# Altium PCB PASS Capstone.PcbDoc (part 2 of 6)
Units mil, origin at the board's own origin, x right, y up, seen from the top; angles counter-clockwise.
Board outline 9510 x 7745.39 mil, 2 copper layers (L1, L2), stack 62.756 mil thick; 838 components, 509 nets, 2130 pads, 378 vias.
Unrouted connection lines stored in the file: 795.
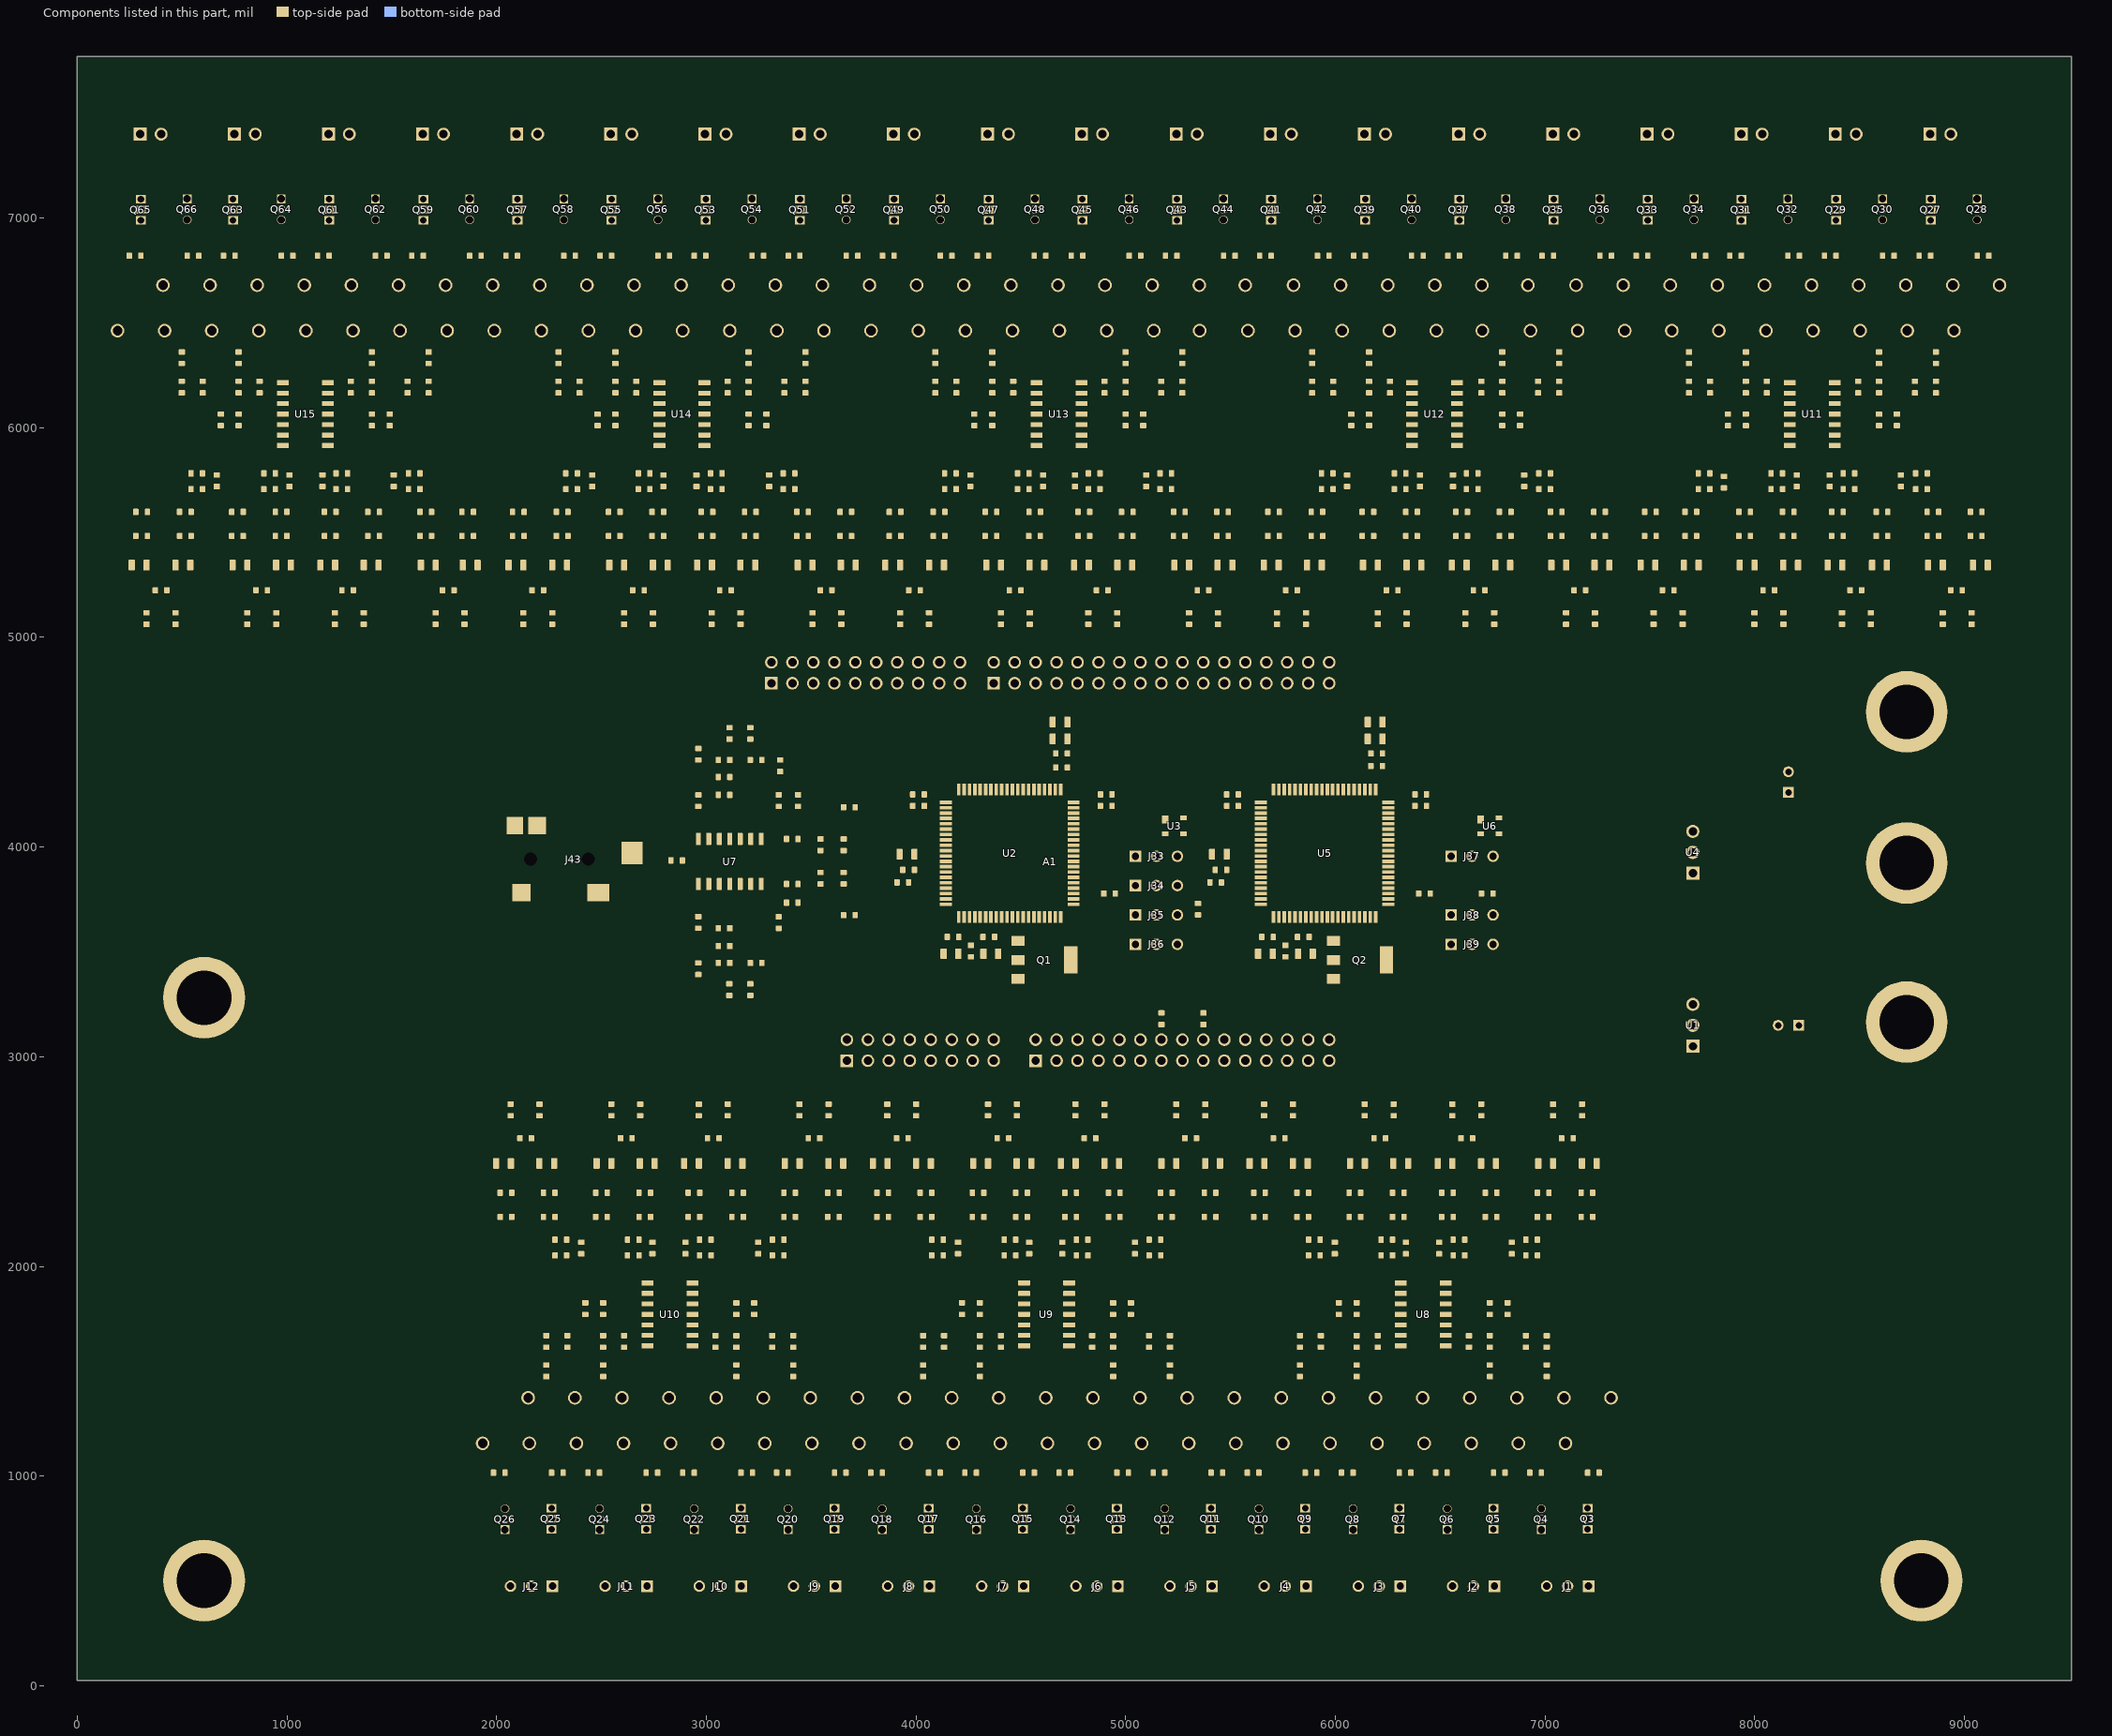
[diagram p2: the components of this part, seen from the top]

## Components (designator, comment, footprint, x,y, rotation, side; value= is the part's Value field where it differs from the comment) (continued)
R192 "6.6k 0603" RESC0603(1608)_L 7502.6,5598.65 r0 top value=6.6k
R193 "1k 0603" RESC0603(1608)_L 8795.07,5707.29 r180 top value=1k
R194 "1k 0603" RESC0603(1608)_L 8449.59,5707.29 r180 top value=1k
R195 "1k 0603" RESC0603(1608)_L 8105.46,5707.29 r0 top value=1k
R196 "1k 0603" RESC0603(1608)_L 7758.49,5707.29 r0 top value=1k
R197 "2k 0603" RESC0603(1608)_L 8795.07,5782.29 r180 top value=2k
R198 "2k 0603" RESC0603(1608)_L 8449.59,5782.29 r180 top value=2k
R199 "2k 0603" RESC0603(1608)_L 8105.46,5782.29 r0 top value=2k
R200 "2k 0603" RESC0603(1608)_L 7758.49,5782.29 r0 top value=2k
R201 "1k 0603" RESC0603(1608)_L 8763.99,6193.75 r270 top value=1k
R202 "1k 0603" RESC0603(1608)_L 8492.93,6193.75 r270 top value=1k
R203 "1k 0603" RESC0603(1608)_L 8057.78,6193.75 r270 top value=1k
R204 "1k 0603" RESC0603(1608)_L 7786.72,6193.75 r270 top value=1k
R205 "2k 0603" RESC0603(1608)_L 8863.99,6333.75 r270 top value=2k
R206 "2k 0603" RESC0603(1608)_L 8592.93,6333.75 r270 top value=2k
R207 "2k 0603" RESC0603(1608)_L 7957.78,6333.75 r270 top value=2k
R208 "2k 0603" RESC0603(1608)_L 7686.72,6333.75 r270 top value=2k
R209 "560 0603" RESC0603(1608)_L 8811.62,6820 r180 top value=560
R210 "560 0603" RESC0603(1608)_L 9088.67,6820 r180 top value=560
R211 "560 0603" RESC0603(1608)_L 8360.29,6820 r180 top value=560
R212 "560 0603" RESC0603(1608)_L 8637.43,6820 r180 top value=560
R213 "560 0603" RESC0603(1608)_L 7908.48,6820 r180 top value=560
R214 "560 0603" RESC0603(1608)_L 8185.86,6820 r180 top value=560
R215 "560 0603" RESC0603(1608)_L 7462.29,6820 r180 top value=560
R216 "560 0603" RESC0603(1608)_L 7738.27,6820 r180 top value=560
R217 "237" RESC0603(1608)_L 7100.25,5090 r90 top
R218 "237" RESC0603(1608)_L 7238.16,5090 r90 top
R219 "237" RESC0603(1608)_L 6619.81,5090 r90 top
R220 "237" RESC0603(1608)_L 6757.73,5090 r90 top
R221 "237" RESC0603(1608)_L 6340.16,5090 r90 top
R222 "237" RESC0603(1608)_L 6202.25,5090 r90 top
R223 "237" RESC0603(1608)_L 5859.73,5090 r90 top
R224 "237" RESC0603(1608)_L 5721.42,5090 r90 top
R225 "49.9k Ohm 0603" RESC0603(1608)_L 7053.4,5483.65 r0 top value=49.9k
R226 "49.9k Ohm 0603" RESC0603(1608)_L 7259.91,5483.65 r0 top value=49.9k
R227 "49.9k Ohm 0603" RESC0603(1608)_L 6602.27,5483.65 r0 top value=49.9k
R228 "49.9k Ohm 0603" RESC0603(1608)_L 6810.26,5483.65 r0 top value=49.9k
R229 "49.9k Ohm 0603" RESC0603(1608)_L 6363.39,5483.65 r180 top value=49.9k
R230 "49.9k Ohm 0603" RESC0603(1608)_L 6155.4,5483.65 r180 top value=49.9k
R231 "49.9k Ohm 0603" RESC0603(1608)_L 5912.26,5483.65 r180 top value=49.9k
R232 "49.9k Ohm 0603" RESC0603(1608)_L 5705.75,5483.65 r180 top value=49.9k
R233 "6.6k 0603" RESC0603(1608)_L 7053.4,5598.65 r0 top value=6.6k
R234 "6.6k 0603" RESC0603(1608)_L 7259.91,5598.65 r180 top value=6.6k
R235 "6.6k 0603" RESC0603(1608)_L 6602.27,5598.65 r0 top value=6.6k
R236 "6.6k 0603" RESC0603(1608)_L 6810.26,5598.65 r0 top value=6.6k
R237 "6.6k 0603" RESC0603(1608)_L 6363.39,5598.65 r180 top value=6.6k
R238 "6.6k 0603" RESC0603(1608)_L 6155.4,5598.65 r180 top value=6.6k
R239 "6.6k 0603" RESC0603(1608)_L 5912.26,5598.65 r180 top value=6.6k
R240 "6.6k 0603" RESC0603(1608)_L 5705.75,5598.65 r0 top value=6.6k
R241 "1k 0603" RESC0603(1608)_L 6998.23,5707.29 r180 top value=1k
R242 "1k 0603" RESC0603(1608)_L 6652.74,5707.29 r180 top value=1k
R243 "1k 0603" RESC0603(1608)_L 6308.61,5707.29 r0 top value=1k
R244 "1k 0603" RESC0603(1608)_L 5961.65,5707.29 r0 top value=1k
R245 "2k 0603" RESC0603(1608)_L 6998.23,5782.29 r180 top value=2k
R246 "2k 0603" RESC0603(1608)_L 6652.74,5782.29 r180 top value=2k
R247 "2k 0603" RESC0603(1608)_L 6308.61,5782.29 r0 top value=2k
R248 "2k 0603" RESC0603(1608)_L 5961.65,5782.29 r0 top value=2k
R249 "1k 0603" RESC0603(1608)_L 6967.14,6193.75 r270 top value=1k
R250 "1k 0603" RESC0603(1608)_L 6696.08,6193.75 r270 top value=1k
R251 "1k 0603" RESC0603(1608)_L 6260.93,6193.75 r270 top value=1k
R252 "1k 0603" RESC0603(1608)_L 5989.87,6193.75 r270 top value=1k
R253 "2k 0603" RESC0603(1608)_L 7067.14,6333.75 r270 top value=2k
R254 "2k 0603" RESC0603(1608)_L 6796.08,6333.75 r270 top value=2k
R255 "2k 0603" RESC0603(1608)_L 6160.93,6333.75 r270 top value=2k
R256 "2k 0603" RESC0603(1608)_L 5889.87,6333.75 r270 top value=2k
R257 "560 0603" RESC0603(1608)_L 7013.29,6820 r180 top value=560
R258 "560 0603" RESC0603(1608)_L 7289.26,6820 r180 top value=560
R259 "560 0603" RESC0603(1608)_L 6564.29,6820 r180 top value=560
R260 "560 0603" RESC0603(1608)_L 6840.26,6820 r180 top value=560
R261 "560 0603" RESC0603(1608)_L 6115.29,6820 r180 top value=560
R262 "560 0603" RESC0603(1608)_L 6391.26,6820 r180 top value=560
R263 "560 0603" RESC0603(1608)_L 5666.29,6820 r180 top value=560
R264 "560 0603" RESC0603(1608)_L 5942.26,6820 r180 top value=560
R265 "237" RESC0603(1608)_L 5302.37,5090 r90 top
R266 "237" RESC0603(1608)_L 5440.28,5090 r90 top
R267 "237" RESC0603(1608)_L 4821.93,5090 r90 top
R268 "237" RESC0603(1608)_L 4959.85,5090 r90 top
R269 "237" RESC0603(1608)_L 4542.62,5090 r90 top
R270 "237" RESC0603(1608)_L 4405.34,5090 r90 top
R271 "237" RESC0603(1608)_L 4062.19,5090 r90 top
R272 "237" RESC0603(1608)_L 3924.52,5090 r90 top
R273 "49.9k Ohm 0603" RESC0603(1608)_L 5255.52,5483.65 r0 top value=49.9k
R274 "49.9k Ohm 0603" RESC0603(1608)_L 5462.03,5483.65 r0 top value=49.9k
R275 "49.9k Ohm 0603" RESC0603(1608)_L 4800.77,5483.65 r0 top value=49.9k
R276 "49.9k Ohm 0603" RESC0603(1608)_L 5007.68,5483.65 r0 top value=49.9k
R277 "49.9k Ohm 0603" RESC0603(1608)_L 4565.51,5483.65 r180 top value=49.9k
R278 "49.9k Ohm 0603" RESC0603(1608)_L 4357.52,5483.65 r180 top value=49.9k
R279 "49.9k Ohm 0603" RESC0603(1608)_L 4110.07,5483.65 r180 top value=49.9k
R280 "49.9k Ohm 0603" RESC0603(1608)_L 3900.31,5483.65 r180 top value=49.9k
R281 "6.6k 0603" RESC0603(1608)_L 5256.49,5598.65 r0 top value=6.6k
R282 "6.6k 0603" RESC0603(1608)_L 5462.03,5598.65 r180 top value=6.6k
R283 "6.6k 0603" RESC0603(1608)_L 4800.77,5598.65 r0 top value=6.6k
R284 "6.6k 0603" RESC0603(1608)_L 5007.68,5598.65 r0 top value=6.6k
R285 "6.6k 0603" RESC0603(1608)_L 4566.49,5598.65 r180 top value=6.6k
R286 "6.6k 0603" RESC0603(1608)_L 4357.52,5598.65 r180 top value=6.6k
R287 "6.6k 0603" RESC0603(1608)_L 4110.07,5598.65 r180 top value=6.6k
R288 "6.6k 0603" RESC0603(1608)_L 3900.31,5598.65 r0 top value=6.6k
R289 "1k 0603" RESC0603(1608)_L 5191.35,5707.29 r180 top value=1k
R290 "1k 0603" RESC0603(1608)_L 4849.8,5707.29 r180 top value=1k
R291 "1k 0603" RESC0603(1608)_L 4511.76,5707.29 r0 top value=1k
R292 "1k 0603" RESC0603(1608)_L 4164.16,5707.29 r0 top value=1k
R293 "2k 0603" RESC0603(1608)_L 5191.35,5782.29 r180 top value=2k
R294 "2k 0603" RESC0603(1608)_L 4849.8,5782.29 r180 top value=2k
R295 "2k 0603" RESC0603(1608)_L 4511.76,5782.29 r0 top value=2k
R296 "2k 0603" RESC0603(1608)_L 4164.16,5782.29 r0 top value=2k
R297 "1k 0603" RESC0603(1608)_L 5170.29,6193.75 r270 top value=1k
R298 "1k 0603" RESC0603(1608)_L 4899.23,6193.75 r270 top value=1k
R299 "1k 0603" RESC0603(1608)_L 4464.08,6193.75 r270 top value=1k
R300 "1k 0603" RESC0603(1608)_L 4192.38,6193.75 r270 top value=1k
R301 "2k 0603" RESC0603(1608)_L 5270.29,6333.75 r270 top value=2k
R302 "2k 0603" RESC0603(1608)_L 4999.23,6333.75 r270 top value=2k
R303 "2k 0603" RESC0603(1608)_L 4364.08,6333.75 r270 top value=2k
R304 "2k 0603" RESC0603(1608)_L 4092.38,6333.75 r270 top value=2k
R305 "560 0603" RESC0603(1608)_L 5217.29,6820 r180 top value=560
R306 "560 0603" RESC0603(1608)_L 5494.33,6820 r180 top value=560
R307 "560 0603" RESC0603(1608)_L 4768.29,6820 r180 top value=560
R308 "560 0603" RESC0603(1608)_L 5044.26,6820 r180 top value=560
R309 "560 0603" RESC0603(1608)_L 4319.29,6820 r180 top value=560
R310 "560 0603" RESC0603(1608)_L 4591.52,6820 r180 top value=560
R311 "560 0603" RESC0603(1608)_L 3867.95,6820 r180 top value=560
R312 "560 0603" RESC0603(1608)_L 4143.93,6820 r180 top value=560
R313 "237" RESC0603(1608)_L 3505.91,5090 r90 top
R314 "237" RESC0603(1608)_L 3643.83,5090 r90 top
R315 "237" RESC0603(1608)_L 3025.47,5090 r90 top
R316 "237" RESC0603(1608)_L 3163.39,5090 r90 top
R317 "237" RESC0603(1608)_L 2745.83,5090 r90 top
R318 "237" RESC0603(1608)_L 2607.91,5090 r90 top
R319 "237" RESC0603(1608)_L 2265.39,5090 r90 top
R320 "237" RESC0603(1608)_L 2127.08,5090 r90 top
R321 "49.9k Ohm 0603" RESC0603(1608)_L 3459.06,5483.65 r0 top value=49.9k
R322 "49.9k Ohm 0603" RESC0603(1608)_L 3665.57,5483.65 r0 top value=49.9k
R323 "49.9k Ohm 0603" RESC0603(1608)_L 3003.34,5483.65 r0 top value=49.9k
R324 "49.9k Ohm 0603" RESC0603(1608)_L 3210.24,5483.65 r0 top value=49.9k
R325 "49.9k Ohm 0603" RESC0603(1608)_L 2769.05,5483.65 r180 top value=49.9k
R326 "49.9k Ohm 0603" RESC0603(1608)_L 2561.06,5483.65 r180 top value=49.9k
R327 "49.9k Ohm 0603" RESC0603(1608)_L 2312.63,5483.65 r180 top value=49.9k
R328 "49.9k Ohm 0603" RESC0603(1608)_L 2103.86,5483.65 r180 top value=49.9k
R329 "6.6k 0603" RESC0603(1608)_L 3459.06,5598.65 r0 top value=6.6k
R330 "6.6k 0603" RESC0603(1608)_L 3665.57,5598.65 r180 top value=6.6k
R331 "6.6k 0603" RESC0603(1608)_L 3003.34,5598.65 r0 top value=6.6k
R332 "6.6k 0603" RESC0603(1608)_L 3210.24,5598.65 r0 top value=6.6k
R333 "6.6k 0603" RESC0603(1608)_L 2769.05,5598.65 r180 top value=6.6k
R334 "6.6k 0603" RESC0603(1608)_L 2561.06,5598.65 r180 top value=6.6k
R335 "6.6k 0603" RESC0603(1608)_L 2312.63,5598.65 r180 top value=6.6k
R336 "6.6k 0603" RESC0603(1608)_L 2103.86,5598.65 r0 top value=6.6k
R337 "1k 0603" RESC0603(1608)_L 3394.5,5707.29 r180 top value=1k
R338 "1k 0603" RESC0603(1608)_L 3047.54,5707.29 r180 top value=1k
R339 "1k 0603" RESC0603(1608)_L 2703.41,5707.29 r0 top value=1k
R340 "1k 0603" RESC0603(1608)_L 2357.92,5707.29 r0 top value=1k
R341 "2k 0603" RESC0603(1608)_L 3394.5,5782.29 r180 top value=2k
R342 "2k 0603" RESC0603(1608)_L 3047.54,5782.29 r180 top value=2k
R343 "2k 0603" RESC0603(1608)_L 2703.41,5782.29 r0 top value=2k
R344 "2k 0603" RESC0603(1608)_L 2357.92,5782.29 r0 top value=2k
R345 "1k 0603" RESC0603(1608)_L 3372.8,6193.75 r270 top value=1k
R346 "1k 0603" RESC0603(1608)_L 3101.74,6193.75 r270 top value=1k
R347 "1k 0603" RESC0603(1608)_L 2666.6,6193.75 r270 top value=1k
R348 "1k 0603" RESC0603(1608)_L 2395.53,6193.75 r270 top value=1k
R349 "2k 0603" RESC0603(1608)_L 3472.8,6333.75 r270 top value=2k
R350 "2k 0603" RESC0603(1608)_L 3201.74,6333.75 r270 top value=2k
R351 "2k 0603" RESC0603(1608)_L 2566.6,6333.75 r270 top value=2k
R352 "2k 0603" RESC0603(1608)_L 2295.53,6333.75 r270 top value=2k
R353 "560 0603" RESC0603(1608)_L 3418.95,6820 r180 top value=560
R354 "560 0603" RESC0603(1608)_L 3694.93,6820 r180 top value=560
R355 "560 0603" RESC0603(1608)_L 2969.95,6820 r180 top value=560
R356 "560 0603" RESC0603(1608)_L 3245.93,6820 r180 top value=560
R357 "560 0603" RESC0603(1608)_L 2520.95,6820 r180 top value=560
R358 "560 0603" RESC0603(1608)_L 2796.93,6820 r180 top value=560
R359 "560 0603" RESC0603(1608)_L 2071.95,6820 r180 top value=560
R360 "560 0603" RESC0603(1608)_L 2347.93,6820 r180 top value=560
R361 "237" RESC0603(1608)_L 1709.01,5090 r90 top
R362 "237" RESC0603(1608)_L 1846.92,5090 r90 top
R363 "237" RESC0603(1608)_L 1228.57,5090 r90 top
R364 "237" RESC0603(1608)_L 1366.49,5090 r90 top
R365 "237" RESC0603(1608)_L 948.92,5090 r90 top
R366 "237" RESC0603(1608)_L 811.01,5090 r90 top
R367 "237" RESC0603(1608)_L 468.49,5090 r90 top
R368 "237" RESC0603(1608)_L 330.18,5090 r90 top
R369 "49.9k Ohm 0603" RESC0603(1608)_L 1662.16,5483.65 r0 top value=49.9k
R370 "49.9k Ohm 0603" RESC0603(1608)_L 1862.29,5483.65 r0 top value=49.9k
R371 "49.9k Ohm 0603" RESC0603(1608)_L 1206.43,5483.65 r0 top value=49.9k
R372 "49.9k Ohm 0603" RESC0603(1608)_L 1413.34,5483.65 r0 top value=49.9k
R373 "49.9k Ohm 0603" RESC0603(1608)_L 972.15,5483.65 r180 top value=49.9k
R374 "49.9k Ohm 0603" RESC0603(1608)_L 764.16,5483.65 r180 top value=49.9k
R375 "49.9k Ohm 0603" RESC0603(1608)_L 515.73,5483.65 r180 top value=49.9k
R376 "49.9k Ohm 0603" RESC0603(1608)_L 306.95,5483.65 r180 top value=49.9k
R377 "6.6k 0603" RESC0603(1608)_L 1662.16,5598.65 r0 top value=6.6k
R378 "6.6k 0603" RESC0603(1608)_L 1862.29,5598.65 r180 top value=6.6k
R379 "6.6k 0603" RESC0603(1608)_L 1206.43,5598.65 r0 top value=6.6k
R380 "6.6k 0603" RESC0603(1608)_L 1413.34,5598.65 r0 top value=6.6k
R381 "6.6k 0603" RESC0603(1608)_L 972.15,5598.65 r180 top value=6.6k
R382 "6.6k 0603" RESC0603(1608)_L 764.16,5598.65 r180 top value=6.6k
R383 "6.6k 0603" RESC0603(1608)_L 515.73,5598.65 r180 top value=6.6k
R384 "6.6k 0603" RESC0603(1608)_L 306.95,5598.65 r0 top value=6.6k
R385 "1k 0603" RESC0603(1608)_L 1607.04,5707.29 r180 top value=1k
R386 "1k 0603" RESC0603(1608)_L 1261.55,5707.29 r180 top value=1k
R387 "1k 0603" RESC0603(1608)_L 917.43,5707.29 r0 top value=1k
R388 "1k 0603" RESC0603(1608)_L 570.46,5707.29 r0 top value=1k
R389 "2k 0603" RESC0603(1608)_L 1607.04,5782.29 r180 top value=2k
R390 "2k 0603" RESC0603(1608)_L 1261.55,5782.29 r180 top value=2k
R391 "2k 0603" RESC0603(1608)_L 917.43,5782.29 r0 top value=2k
R392 "2k 0603" RESC0603(1608)_L 570.46,5782.29 r0 top value=2k
R393 "1k 0603" RESC0603(1608)_L 1575.95,6193.75 r270 top value=1k
R394 "1k 0603" RESC0603(1608)_L 1304.89,6193.75 r270 top value=1k
R395 "1k 0603" RESC0603(1608)_L 869.75,6193.75 r270 top value=1k
R396 "1k 0603" RESC0603(1608)_L 598.68,6193.75 r270 top value=1k
R397 "2k 0603" RESC0603(1608)_L 1675.95,6333.75 r270 top value=2k
R398 "2k 0603" RESC0603(1608)_L 1404.89,6333.75 r270 top value=2k
R399 "2k 0603" RESC0603(1608)_L 769.75,6333.75 r270 top value=2k
R400 "2k 0603" RESC0603(1608)_L 498.68,6333.75 r270 top value=2k
R401 "560 0603" RESC0603(1608)_L 1622.95,6820 r180 top value=560
R402 "560 0603" RESC0603(1608)_L 1898.93,6820 r180 top value=560
R403 "560 0603" RESC0603(1608)_L 1173.95,6820 r180 top value=560
R404 "560 0603" RESC0603(1608)_L 1449.93,6820 r180 top value=560
R405 "560 0603" RESC0603(1608)_L 724.95,6820 r180 top value=560
R406 "560 0603" RESC0603(1608)_L 1000.93,6820 r180 top value=560
R407 "560 0603" RESC0603(1608)_L 275.95,6820 r180 top value=560
R408 "560 0603" RESC0603(1608)_L 551.93,6820 r180 top value=560
U1 "LM3940IT-3.3/NOPB" NDE0003A 7705,3150 r90 top
U2 "ADAU1966AWBSTZ" ST_80_2_ADI#1 4447.07,3970.35 r0 top
U3 "CAT811TTBI-GT3" FP-527AF-01-IPC_C 5232.07,4101.22 r0 top
U4 "LM3940IT-3.3/NOPB" NDE0003A 7705,3975 r90 top
U5 "ADAU1966AWBSTZ" ST_80_2_ADI#2 5948.68,3970.35 r0 top
U6 "CAT811TTBI-GT3" FP-527AF-01-IPC_C 6737.07,4101.22 r0 top
U7 "TL074CDR" D0014A_N 3112.07,3931.22 r90 top
U8 "TL074CDR" D0014A_N 6419.05,1771.22 r0 top
U9 "TL074CDR" D0014A_N 4623.05,1771.22 r0 top
U10 "TL074CDR" D0014A_N 2827.05,1771.22 r0 top
U11 "TL074CDR" D0014A_N 8274.11,6065 r180 top
U12 "TL074CDR" D0014A_N 6473.33,6065 r180 top
U13 "TL074CDR" D0014A_N 4682.11,6065 r180 top
U14 "TL074CDR" D0014A_N 2883.77,6065 r180 top
U15 "TL074CDR" D0014A_N 1087.77,6065 r180 top

## Footprints (in the part's own frame and the unit in brackets; to place one, negate y for a bottom-side part, rotate by r counter-clockwise, add the part's x,y. Pads: shape width x height; smd on the part's side, far side on the other; paste and mask are expansions set on the pad)
CAPC0603(1608)100_L [mm] "Chip Capacitor, Body 1.6x0.8mm, Height 1.0mm, IPC High Density"
  rrect25% 0.66x0.76 smd: 1(-0.7,0) 2(0.7,0)
  silkscreen extent 0,-0.3 0,0.3, body extent -0.8,-0.4 0.8,0.4, height 0.95
CAPC0805(2012)145_L [mm] "Chip Capacitor, Body 2.0x1.2mm, Height 1.45mm, IPC High Density"
  rrect25% 0.76x1.3 smd: 1(-0.9,0) 2(0.89,0)
  silkscreen extent -0.3,-0.55 0.3,0.55, body extent -1,-0.6 1,0.6, height 1.45
CAPPR55-250-1120X630X1220 [mm] "THD, 2-Leads, Dia 6.3mm, Pin Spacing 2.5mm"
  rect 1.3x1.3 hole 0.8: 1(-1.25,0)
  round 1.3 hole 0.8: 2(1.25,0)
  silkscreen extent -3.15,-3.15 3.15,3.15, body extent -3.15,-3.15 3.16,3.15, height 12.21
D0014A_N [mm] "SOIC, 14-Leads, Body 8.75x4mm, Pitch 1.27mm, IPC Medium Density"
  rrect17% 1.45x0.6 smd: 1(-2.725,3.81) 2(-2.725,2.54) 3(-2.725,1.27) 4(-2.725,0) 5(-2.725,-1.27) 6(-2.725,-2.54) 7(-2.725,-3.81) 8(2.725,-3.81) 9(2.725,-2.54) 10(2.725,-1.27) 11(2.725,0) 12(2.725,1.27) 13(2.725,2.54) 14(2.725,3.81)
  silkscreen extent -2.85,-4.38 1.6,4.78, body extent -3.02,-4.32 3.02,4.32, height 1.59
DIOD-SOT223-4_V [mm] "SOT223, 4-Leads, Body 6.55x3.55mm, Pitch 2.3mm"
  rect 1.6x1.2 smd: 1(-3.2,2.3) 2(-3.2,0) 3(-3.2,-2.3)
  rect 1.6x3.3 smd: 4(3.2,0)
  silkscreen extent -3.32,-3.3 2.1,3.57, body extent -3.5,-3.27 3.5,3.27, height 1.65
FAIR-DO-41-2 [mm] "THD, 2-Leads, Body 5.2x2.72mm, Pin Spacing 7.8mm"
  round 1.65 hole 1.15: 1(-3.9,0) 2(3.9,0)
  silkscreen extent -2.6,-1.35 2.6,1.35, body extent -4.29,-1.17 4.29,1.17, height 2.35
FP-527AF-01-IPC_C [mm]
  rect 0.8x0.95 smd paste+0 mask+0: 1(-1.1,0.76)
  rect 0.8x0.55 smd paste+0 mask+0: 2(-1.1,-0.96) 3(1.1,-0.96) 4(1.1,0.96)
  silkscreen extent -2.2,-1.52 0.7,1.52, body extent -1.6,-1.62 1.6,1.62, height 0.25
FP-4900-6-MFG [mm]
  round 9.9 hole 6.6 paste-2539.97 mask+0: 1(0,0)
  silkscreen extent -6.6,-6.6 6.6,6.6, body extent -6.7,-6.7 6.7,6.7, height 0.25
FP-87224-3-MFG [mil]
  rect 54.69x54.69 hole 35 paste-99999 mask+0: 1(-100,0)
  round 54.69 hole 35 paste-99999 mask+0: 2(0,0) 3(100,0)
  silkscreen extent -168,-50 145,50, body extent -148,-54 148,54, height 10
FP-TSW-102-07-L-S-MFG [mm]
  rect 1.57x1.57 hole 1.02 paste-2539.97 mask+0: 1(-1.27,0)
  round 1.57 hole 1.02 paste-2539.97 mask+0: 2(1.27,0)
  silkscreen extent -3.25,-1.34 2.73,1.34, body extent -2.83,-1.44 2.83,1.44, height 0.25
JSCJ-TO-92-3_V [mm] "TO-92, 3-leads, Height 4.7mm, Pitch 1.27mm"
  rect 1x1.2 hole 0.8: 1(-1.27,0) 2(0,0) 3(1.27,0)
  silkscreen extent -2.25,-1.81 2.25,2.47, body extent -2.25,-1.03 2.25,2.47, height 4.7
MODULE_NUCLEO-F746ZG [mm]
  rect 1.53x1.53 hole 1.02: CN7_1(21.59,33.914) CN8_1(-24.13,24.77) CN9_1(-24.13,1.91) CN10_1(21.59,6.99)
  round 1.53 hole 1.02: CN7_2(24.13,33.914) CN7_3(21.59,31.374) CN7_4(24.13,31.374) CN7_5(21.59,28.834) CN7_6(24.13,28.834) CN7_7(21.59,26.294) CN7_8(24.13,26.294) CN7_9(21.59,23.754) CN7_10(24.13,23.754) CN7_11(21.59,21.214) CN7_12(24.13,21.214) CN7_13(21.59,18.674) CN7_14(24.13,18.674) CN7_15(21.59,16.134) CN7_16(24.13,16.134) CN7_17(21.59,13.594) CN7_18(24.13,13.594) CN7_19(21.59,11.054) CN7_20(24.13,11.054) CN8_2(-21.59,24.77) CN8_3(-24.13,22.23) CN8_4(-21.59,22.23) CN8_5(-24.13,19.69) CN8_6(-21.59,19.69) CN8_7(-24.13,17.15) CN8_8(-21.59,17.15) CN8_9(-24.13,14.61) CN8_10(-21.59,14.61) CN8_11(-24.13,12.07) CN8_12(-21.59,12.07) CN8_13(-24.13,9.53) CN8_14(-21.59,9.53) CN8_15(-24.13,6.99) CN8_16(-21.59,6.99) CN9_2(-21.59,1.91) CN9_3(-24.13,-0.63) CN9_4(-21.59,-0.63) CN9_5(-24.13,-3.17) CN9_6(-21.59,-3.17) CN9_7(-24.13,-5.71) CN9_8(-21.59,-5.71) CN9_9(-24.13,-8.25) CN9_10(-21.59,-8.25) CN9_11(-24.13,-10.79) CN9_12(-21.59,-10.79) CN9_13(-24.13,-13.33) CN9_14(-21.59,-13.33) CN9_15(-24.13,-15.87) CN9_16(-21.59,-15.87) CN9_17(-24.13,-18.41) CN9_18(-21.59,-18.41) CN9_19(-24.13,-20.95) CN9_20(-21.59,-20.95) CN9_21(-24.13,-23.49) CN9_22(-21.59,-23.49) CN9_23(-24.13,-26.03) CN9_24(-21.59,-26.03) CN9_25(-24.13,-28.57) CN9_26(-21.59,-28.57) CN9_27(-24.13,-31.11) CN9_28(-21.59,-31.11) CN9_29(-24.13,-33.65) CN9_30(-21.59,-33.65) CN10_2(24.13,6.99) CN10_3(21.59,4.45) CN10_4(24.13,4.45) CN10_5(21.59,1.91) CN10_6(24.13,1.91) CN10_7(21.59,-0.63) CN10_8(24.13,-0.63) CN10_9(21.59,-3.17) CN10_10(24.13,-3.17) CN10_11(21.59,-5.71) CN10_12(24.13,-5.71) CN10_13(21.59,-8.25) CN10_14(24.13,-8.25) CN10_15(21.59,-10.79) CN10_16(24.13,-10.79) CN10_17(21.59,-13.33) CN10_18(24.13,-13.33) CN10_19(21.59,-15.87) CN10_20(24.13,-15.87) CN10_21(21.59,-18.41) CN10_22(24.13,-18.41) CN10_23(21.59,-20.95) CN10_24(24.13,-20.95) CN10_25(21.59,-23.49) CN10_26(24.13,-23.49) CN10_27(21.59,-26.03) CN10_28(24.13,-26.03) CN10_29(21.59,-28.57) CN10_30(24.13,-28.57) CN10_31(21.59,-31.11) CN10_32(24.13,-31.11) CN10_33(21.59,-33.65) CN10_34(24.13,-33.65)
  silkscreen extent -25.98,1.81 19.94,34.01
NDE0003A [mm] "FM, 3-Leads, Body 10.7x4.7mm, Pitch 2.54mm"
  rect 1.6x1.6 hole 1: 1(-2.54,0)
  round 1.6 hole 1: 2(0,0) 3(2.54,0)
  silkscreen extent -5.35,-2.63 5.35,2.85, body extent -5.4,-1.9 5.4,2.9, height 19.4
RESC0603(1608)_L [mm] "Chip Resistor, Body 1.6x0.8mm, IPC High Density"
  rrect25% 0.66x0.76 smd: 1(-0.7,0) 2(0.7,0)
  silkscreen extent 0,-0.3 0,0.3, body extent -0.8,-0.4 0.8,0.4, height 0.45
ST_80_2_ADI#1 [mm]
  rect 1.45x0.43 smd paste+0 mask+0: 1(-7.725,6.175) 2(-7.725,5.525) 3(-7.725,4.875) 4(-7.725,4.225) 5(-7.725,3.575) 6(-7.725,2.925) 7(-7.725,2.275) 8(-7.725,1.625) 9(-7.725,0.975) 10(-7.725,0.325) 11(-7.725,-0.325) 12(-7.725,-0.975) 13(-7.725,-1.625) 14(-7.725,-2.275) 15(-7.725,-2.925) 16(-7.725,-3.575) 17(-7.725,-4.225) 18(-7.725,-4.875) 19(-7.725,-5.525) 20(-7.725,-6.175) 41(7.725,-6.175) 42(7.725,-5.525) 43(7.725,-4.875) 44(7.725,-4.225) 45(7.725,-3.575) 46(7.725,-2.925) 47(7.725,-2.275) 48(7.725,-1.625) 49(7.725,-0.975) 50(7.725,-0.325) 51(7.725,0.325) 52(7.725,0.975) 53(7.725,1.625) 54(7.725,2.275) 55(7.725,2.925) 56(7.725,3.575) 57(7.725,4.225) 58(7.725,4.875) 59(7.725,5.525) 60(7.725,6.175)
  rect 0.43x1.45 smd paste+0 mask+0: 21(-6.175,-7.725) 22(-5.525,-7.725) 23(-4.875,-7.725) 24(-4.225,-7.725) 25(-3.575,-7.725) 26(-2.925,-7.725) 27(-2.275,-7.725) 28(-1.625,-7.725) 29(-0.975,-7.725) 30(-0.325,-7.725) 31(0.325,-7.725) 32(0.975,-7.725) 33(1.625,-7.725) 34(2.275,-7.725) 35(2.925,-7.725) 36(3.575,-7.725) 37(4.225,-7.725) 38(4.875,-7.725) 39(5.525,-7.725) 40(6.175,-7.725) 61(6.175,7.725) 62(5.525,7.725) 63(4.875,7.725) 64(4.225,7.725) 65(3.575,7.725) 66(2.925,7.725) 67(2.275,7.725) 68(1.625,7.725) 69(0.975,7.725) 70(0.325,7.725) 71(-0.325,7.725) 72(-0.975,7.725) 73(-1.625,7.725) 74(-2.275,7.725) 75(-2.925,7.725) 76(-3.575,7.725) 77(-4.225,7.725) 78(-4.875,7.725) 79(-5.525,7.725) 80(-6.175,7.725)
  silkscreen extent -8.96,-8.96 8.96,8.96, body extent -8.1,-8.1 8.1,8.1, height 1.6
ST_80_2_ADI#2 [mm]
  rect 1.45x0.43 smd paste+0 mask+0: 1(-7.725,6.175) 2(-7.725,5.525) 3(-7.725,4.875) 4(-7.725,4.225) 5(-7.725,3.575) 6(-7.725,2.925) 7(-7.725,2.275) 8(-7.725,1.625) 9(-7.725,0.975) 10(-7.725,0.325) 11(-7.725,-0.325) 12(-7.725,-0.975) 13(-7.725,-1.625) 14(-7.725,-2.275) 15(-7.725,-2.925) 16(-7.725,-3.575) 17(-7.725,-4.225) 18(-7.725,-4.875) 19(-7.725,-5.525) 20(-7.725,-6.175) 41(7.725,-6.175) 42(7.725,-5.525) 43(7.725,-4.875) 44(7.725,-4.225) 45(7.725,-3.575) 46(7.725,-2.925) 47(7.725,-2.275) 48(7.725,-1.625) 49(7.725,-0.975) 50(7.725,-0.325) 51(7.725,0.325) 52(7.725,0.975) 53(7.725,1.625) 54(7.725,2.275) 55(7.725,2.925) 56(7.725,3.575) 57(7.725,4.225) 58(7.725,4.875) 59(7.725,5.525) 60(7.725,6.175)
  rect 0.43x1.45 smd paste+0 mask+0: 21(-6.175,-7.725) 22(-5.525,-7.725) 23(-4.875,-7.725) 24(-4.225,-7.725) 25(-3.575,-7.725) 26(-2.925,-7.725) 27(-2.275,-7.725) 28(-1.625,-7.725) 29(-0.975,-7.725) 30(-0.325,-7.725) 31(0.325,-7.725) 32(0.975,-7.725) 33(1.625,-7.725) 34(2.275,-7.725) 35(2.925,-7.725) 36(3.575,-7.725) 37(4.225,-7.725) 38(4.875,-7.725) 39(5.525,-7.725) 40(6.175,-7.725) 61(6.175,7.725) 62(5.525,7.725) 63(4.875,7.725) 64(4.225,7.725) 65(3.575,7.725) 66(2.925,7.725) 67(2.275,7.725) 68(1.625,7.725) 69(0.975,7.725) 70(0.325,7.725) 71(-0.325,7.725) 72(-0.975,7.725) 73(-1.625,7.725) 74(-2.275,7.725) 75(-2.925,7.725) 76(-3.575,7.725) 77(-4.225,7.725) 78(-4.875,7.725) 79(-5.525,7.725) 80(-6.175,7.725)
  silkscreen extent -8.96,-8.96 8.96,8.96, body extent -8.1,-8.1 8.1,8.1, height 1.6
SWIT-35RASMT4BHNTRX_V [mm] "Jack, 5-Leads, Body 17x6mm"
  rect 2.2x2.1 smd: 1(-6.3,-4.05) 2(-4.4,4.05)
  rect 2.7x2.1 smd: 3(3,-4.05)
  rect 2x2.1 smd: 4(-7.1,4.05)
  rect 2.6x2.7 smd: 5(7.1,0.75)
  rect 0x0 hole 1.6 unplated: MH(-5.2,0) MH(1.8,0)
  silkscreen extent -8.7,-5.77 5.8,3, body extent -11.2,-3 5.8,3, height 5
UNIC-TO-92-3 [mm] "TO-92, 3-Leads, Dia 4.58mm, Pitch 1.27mm"
  rect 1.05x1.05 hole 0.9: 1(1.27,0)
  round 1.05 hole 0.9: 2(0,0) 3(-1.27,0)
  silkscreen extent -2.29,-2.56 3.05,0.94, body extent -2.3,-2.6 2.3,0.94, height 7.23

## Part data
A1: "STM32F746ZG, mbed-Enabled Development Nucleo-144 STM32F7 ARMÂ® CortexÂ®-M7 MCU 32-Bit Embedded Evaluation Board", Package=None, Availability=Warning, Check_prices=https://www.snapeda.com/parts/NUCLEO-F746ZG/STMicroelectronics/view-part/531935/?ref=eda, MF=STMicroelectronics, MP=NUCLEO-F746ZG, Price=None, Purchase-URL=https://pricing.snapeda.com/search/part/NUCLEO-F746ZG/?ref=eda, SnapEDA_Link=https://www.snapeda.com/parts/NUCLEO-F746ZG/STMicroelectronics/view-part/531935/?ref=snap
C1: library part CMP-001-00077-3, "Chip Capacitor, 2.2nF 0603,", Case/Package=0603, Max Operating Temperature=85°C, Min Operating Temperature=-55°C, Tolerance=10%, Voltage Rating=25V, Mounting Technology=SMT, Pins=2
C2: library part CMP-001-00080-4, "Chip Capacitor, 39nF  0805,", Case/Package=0805, Max Operating Temperature=85°C, Min Operating Temperature=-55°C, Tolerance=20%, Voltage Rating=25V, Mounting Technology=SMT, Pins=2
C3 C14 C28: library part CMP-001-00077-3, "Chip Capacitor, 470nF 0603,", Case/Package=0603, Max Operating Temperature=85°C, Min Operating Temperature=-55°C, Tolerance=10%, Voltage Rating=25V, Mounting Technology=SMT, Pins=2
C4: library part CMP-001-00077-3, "Chip Capacitor, 470nF  0603", Case/Package=0603, Max Operating Temperature=85°C, Min Operating Temperature=-55°C, Tolerance=10%, Voltage Rating=25V, Mounting Technology=SMT, Pins=2
C5 C8 C19 C22: library part CMP-001-00077-3, "Chip Capacitor, 100nF 0603,", Case/Package=0603, Max Operating Temperature=85°C, Min Operating Temperature=-55°C, Tolerance=10%, Voltage Rating=25V, Mounting Technology=SMT, Pins=2
C6 C10 C12 C20 C21 C24 C26: library part CMP-001-00079-4, "Chip Capacitor, 10µF 0805,", Case/Package=0805, Max Operating Temperature=85°C, Min Operating Temperature=-55°C, Tolerance=10%, Voltage Rating=25V, Mounting Technology=SMT, Pins=2
C7: library part CMP-001-00079-4, "Chip Capacitor, 10µF 0805", Case/Package=0805, Max Operating Temperature=85°C, Min Operating Temperature=-55°C, Tolerance=10%, Voltage Rating=25V, Mounting Technology=SMT, Pins=2
C9 C11 C23: library part CMP-001-00075-4, "Capacitor 100nF 0603", Case/Package=0603, Max Operating Temperature=85°C, Min Operating Temperature=-55°C, Tolerance=10%, Voltage Rating=10V, Mounting Technology=SMT, Pins=2
C13 C27: library part CMP-001-00077-3, "Chip Capacitor, 470nF  0603,", Case/Package=0603, Max Operating Temperature=85°C, Min Operating Temperature=-55°C, Tolerance=10%, Voltage Rating=25V, Mounting Technology=SMT, Pins=2
C15: library part CMP-001-00077-3, "Chip Capacitor, 2.2nF  0603,", Case/Package=0603, Max Operating Temperature=85°C, Min Operating Temperature=-55°C, Tolerance=10%, Voltage Rating=25V, Mounting Technology=SMT, Pins=2
C16: library part CMP-001-00080-4, "Chip Capacitor, 39nF 0805,", Case/Package=0805, Max Operating Temperature=85°C, Min Operating Temperature=-55°C, Tolerance=20%, Voltage Rating=25V, Mounting Technology=SMT, Pins=2
C17 C18: library part CMP-001-00077-3, "Chip Capacitor, 470nF +/-20%, 25V, 0603, Thickness 1 mm", Case/Package=0603, Max Operating Temperature=85°C, Min Operating Temperature=-55°C, Tolerance=10%, Voltage Rating=25V, Mounting Technology=SMT, Pins=2
C25: library part CMP-001-00075-4, Case/Package=0603, Max Operating Temperature=85°C, Min Operating Temperature=-55°C, Tolerance=10%, Voltage Rating=10V, Mounting Technology=SMT, Pins=2
C29 C31 C33 C237: library part CMP-001-00075-4, "8nF Cap 0603", Case/Package=0603, Max Operating Temperature=85°C, Min Operating Temperature=-55°C, Tolerance=10%, Voltage Rating=10V, Mounting Technology=SMT, Pins=2
C30 C32 C34: library part CMP-001-00075-4, "1nF 0603", Case/Package=0603, Max Operating Temperature=85°C, Min Operating Temperature=-55°C, Tolerance=10%, Voltage Rating=10V, Mounting Technology=SMT, Pins=2
C35 C36 C37 C38 C39 C40 C41 C42 C51 C52 C53 C54 C55 C56 C57 C58 C59 C60 C61 C62 C63 C64 C65 C66 C75 C76 C77 C78 C79 C80 C81 C82 C83 C84 C85 C86 C87 C88 C89 C90 C99 C100 C101 C102 C103 C104 C105 C106 C107 C108 C109 C110 C111 C112 C113 C114 C123 C124 C125 C126 C127 C128 C129 C130 C131 C132 C133 C134 C135 C136 C137 C138 C147 C148 C149 C150 C151 C152 C153 C154 C155 C156 C157 C158 C159 C160 C161 C162 C171 C172 C173 C174 C175 C176 C177 C178 C179 C180 C181 C182 C183 C184 C185 C186 C195 C196 C197 C198 C199 C200 C201 C202 C203 C204 C205 C206 C207 C208 C209 C210 C219 C220 C221 C222 C223 C224 C225 C226 C227 C228 C229 C230 C235 C236: library part CMP-001-00078-4, Case/Package=0603, Max Operating Temperature=85°C, Min Operating Temperature=-55°C, Tolerance=10%, Voltage Rating=50V, Mounting Technology=SMT, Pins=2
C43 C44 C45 C46 C47 C48 C49 C50 C67 C68 C69 C70 C71 C72 C73 C74 C91 C92 C93 C94 C95 C96 C97 C98 C115 C116 C117 C118 C119 C120 C121 C122 C139 C140 C141 C142 C143 C144 C145 C146 C163 C164 C165 C166 C167 C168 C169 C170 C187 C188 C189 C190 C191 C192 C193 C194 C211 C212 C213 C214 C215 C216 C217 C218: library part CMP-001-00079-4, "Chip Capacitor, 10µF +/-20%, 25V, 0805, Thickness 1.45 mm", Case/Package=0805, Max Operating Temperature=85°C, Min Operating Temperature=-55°C, Tolerance=10%, Voltage Rating=25V, Mounting Technology=SMT, Pins=2
C231 C232 C238: library part CMP-001-00075-4, "1uF 0603", Case/Package=0603, Max Operating Temperature=85°C, Min Operating Temperature=-55°C, Tolerance=10%, Voltage Rating=10V, Mounting Technology=SMT, Pins=2
C233 C234: library part CMP-001-00035-7, "Aluminum Electrolytic Capacitor, 22 uF, +/- 20%, 100 V, -40 to 85 degC, 2-Pin THD, RoHS, Bulk", Capacitor Type=Electrolytic, Case/Package=Radial, Manufacturer=Panasonic, Max Operating Temperature=85°C, Min Operating Temperature=-40°C, Package Description="2-Pin Radial Lead, Dia 6.3 mm, Height 12.2 mm", Package Quantity=200, Package Reference=CAPPR55-250-1120X630X1220, Ripple Current=115mA, Tolerance=20%, Voltage Rating=100V, Datasheet URL=https://industrial.panasonic.com/cdbs/www-data/pdf/RDF0000/ABA0000C1047.pdf, Datasheet Version=Mar-16, Diameter=6.3mm, Lead Pitch=2.5mm, Manufacturer URL=http://www.panasonic.com/, Mounting Technology=TH, Packaging=Bulk, Pins=2, Ripple Current (AC)=115mA, RoHS Compliant=True
D1 D2 D3 D4 D5 D6 D7 D8 D9 D10 D11 D12 D13 D14 D15 D16 D17 D18 D19 D20 D21 D22 D23 D24 D25 D26 D27 D28 D29 D30 D31 D32 D33 D34 D35 D36 D37 D38 D39 D40 D41 D42 D43 D44 D45 D46 D47 D48 D49 D50 D51 D52 D53 D54 D55 D56 D57 D58 D59 D60 D61 D62 D63 D64: library part CMP-004-00007-2, "General Purpose Rectifier, 1.1 V, 1.0 A, -55 to 175 degC, 2-Pin DO-41, RoHS, Tape and Reel", Case/Package=DO-41-2, Forward Current=1A, Forward Voltage=1.1V, Manufacturer=Fairchild, Max Operating Temperature=175°C, Max Surge Current=30A, Min Operating Temperature=-55°C, Package Description="2-Pin Axial Lead, Dia 2.375 mm, Body Length 4.63 mm", Package Quantity=5000, Package Version="Rev. 2, 09/2008", Peak Reverse Current=5uA, Datasheet URL=https://www.fairchildsemi.com/datasheets/1N/1N4007.pdf, Datasheet Version="Rev. 1.1.0, 11/2014", Elements=1, Manufacturer URL=https://www.fairchildsemi.com/, Mounting Technology=TH, Package Reference=DO-41-2, Package URL=http://www.fairchildsemi.com/dwg/DO/DO41A.pdf, Packaging=TapeandReel, Pins=2, RoHS Compliant=True
J1 J2 J3 J4 J5 J6 J7 J8 J9 J10 J11 J12 J33 J34 J35 J36 J37 J38 J39: library part CMP-2000-05697-2, "CONN HEADER VERT 3POS 2.54MM", Color=Black, Contact Current Rating=3A, Flammability Rating="UL94 V-0", High Temperature Housing=No, Max Operating Temperature=105°C, Min Operating Temperature=-65°C, Package Quantity=520, Approvals=CSA, Board Standoff="No (Without)", Connector Type=Plug, Contact Gender=Male, Contact Material=Bronze, Contact Mating Length=8.08mm, Contact Plating=Gold, Contact Post Length=0.125inch, Contact Protection="No (Without)", Contact Shape=Square, Contact Type="Male Pin", Current Rating=3A, Depth=2.54mm, ELV=Compliant, Gasket="No (Without)", High Speed Serial Data Connector=No, Housing Color=Black, Housing Material=Thermoplastic, Keyed=No, Lead Free="Lead Free", Length=7.21mm, Mating Alignment="No (Without)", Mating Connector Lock="No (Without)", Mount="Through Hole", Number of Contacts=3, Number of Positions=3, Number of Rows=1, Orientation=Straight, Packaging=Carton, PCB Mount Retention=Without, PCB Mounting Orientation=Vertical, PCB Thickness=1.397mm, Pitch=2.54mm, Radiation Hardening=No, RoHS Compliant=Yes, Row Spacing=2.54mm, Selectively Loaded="No (Without)", Series="AMPMODU MOD II", Stabilizers="No (Without)", Strain Relief="No (Without)", Termination="Through Hole"
J13 J14 J15 J16 J17 J18 J19 J20 J21 J22 J23 J24 J25 J26 J27 J28 J29 J30 J31 J32: library part CMP-02766-001428-1, "CONN HEADER VERT 2POS 2.54MM", Color=Black, Current Rating=7.6A, Max Operating Temperature=125°C, Max Voltage Rating (AC)=550V, Min Operating Temperature=-55°C, Package Quantity=1, Connector Type="Male Pin", Contact Material=Bronze, Contact Mating Length=0.23inch, Contact Plating=Gold, Contact Type="Male Pin", Depth=2.54mm, Gender=Male, Housing Color=Black, Housing Material=Polyester, Lead Free="Lead Free", Length=5.08mm, Max Current Rating=7.6A, Mount="Through Hole", Number of Contacts=2, Number of Positions=2, Number of Rows=1, Orientation=Straight, Packaging=Bulk, Pitch=2.54mm, Radiation Hardening=No, REACH SVHC="No SVHC", RoHS Compliant=Yes, Series=TSW, Termination=Solder, Voltage Rating=550V, Width=2.54mm
J40 J41 J42 J44 J45 J46: library part CMP-73906-000017-1, "CONN BANANA JACK TURRET BLUE", Color=Blue, Current Rating=15A, Package Quantity=1, Voltage Rating=2.5kV, Voltage Rating (DC)=60V, Body Material=Polyphenylene, Contact Material=Brass, Contact Plating=Nickel, Gender=Female, Insulation="Mating End Insulated", Insulation Material=Polycarbonate, Lead Free="Lead Free", Mount=Panel, Number of Pins=1, Packaging=Bag, REACH SVHC="No SVHC", RoHS Compliant=Yes, Series=-, Termination=Turret
J43: library part CMP-002-00007-2, "Female 3.5 mm Phone Jack, 5 Position, Height 5 mm, RoHS, Tape and Reel", Colour=Black, Current Rating=3A, Manufacturer=Switchcraft, Max Operating Temperature=85°C, Min Operating Temperature=-25°C, Package Description="Female 3.5 mm Phone Jack, 5 Position, Height 5 mm", Package Quantity=800, Voltage Rating=250V, Case/Package=35RASMT4BHNTRX, Connector Type=Audio, Contact Material=Copper, Contact Plating=Silver, Datasheet URL=http://www.switchcraft.com/Drawings/35rasmt4bhntrx_cd.pdf, Datasheet Version="Rev. C, 07/2014", Gender=Female, Manufacturer URL=http://www.switchcraft.com/, Max Current Rating=3A, Mounting Technology=SM, Package Reference=35RASMT4BHNTRX, Packaging=TapeandReel, Pins=3, RoHS Compliant=True, Shielding=Unshielded
Q1 Q2: library part CMP-2000-06302-1, "PNP Silicon Planar High Current (high Performance) Transistor, 100 V, 3 W, -55 to 150 degC, 4-Pin SOT223, RoHS, Tape and Reel", Collector- Base Voltage VCBO=-140V, Collector- Emitter Voltage VCEO Max=-100V, Collector-Emitter Saturation Voltage=-420mV, DC Current Gain hFE Max=100, Emitter- Base Voltage VEBO=-7V, Manufacturer=DiodesIncorporated, Maximum DC Collector Current=-10A, Maximum Operating Temperature=+150C, Minimum Operating Temperature=-55C, Package / Case=SOT-223, Package Description="4-Pin Small Outline Transistor, Body 6.5 x 3.5 mm, Pitch 2.3 mm", Package Reference=SOT223-4, Package Version=06/2015, Pd - Power Dissipation=3W, Brand=DiodesIncorporated, Configuration=Single, Datasheet URL=http://www.diodes.com/_files/datasheets/FZT951_FZT953.pdf, Datasheet Version=04/2000, DC Collector/Base Gain hfe Min=15at-10A,-1V, Factory Pack Quantity=1000, Gain Bandwidth Product fT=125MHz, Height=1.65mm(Max), Length=6.7mm(Max), Manufacturer URL=http://www.diodes.com/, Mounting Style=SMD/SMT, Mounting Technology=SurfaceMount, Package URL=http://www.diodes.com/_files/packages/SOT223.pdf, Packaging=Reel, Product Category=BipolarTransistors-BJT, RoHS=True, Series=FZT953, Transistor Polarity=PNP, Unit Weight=0.000282oz, Width=3.7mm(Max)
Q3 Q5 Q7 Q9 Q11 Q13 Q15 Q17 Q19 Q21 Q23 Q25 Q27 Q29 Q31 Q33 Q35 Q37 Q39 Q41 Q43 Q45 Q47 Q49 Q51 Q53 Q55 Q57 Q59 Q61 Q63 Q65: library part CMP-013-00000-3, "Transistor, NPN, 0.1 uA, 150 MHz, 3-Pin TO-92", Case/Package=TO-92-3, Manufacturer="Jiangsu Changjiang Electronics Technology", Package Description="3-Pin Through Hole Device, Height 4.7 mm, Pitch 2.3 mm", Datasheet URL=http://www.cj-elec.com/txUpfile/20121910315050632.pdf, Datasheet Version="Rev. B, 11/2011", Mounting Technology=TH, Package Reference=TO-92-3, RoHS Compliant=False
Q4 Q6 Q8 Q10 Q12 Q14 Q16 Q18 Q20 Q22 Q24 Q26 Q28 Q30 Q32 Q34 Q36 Q38 Q40 Q42 Q44 Q46 Q48 Q50 Q52 Q54 Q56 Q58 Q60 Q62 Q64 Q66: library part CMP-013-00004-3, "Low Voltage High Current Small Signal PNP Transistor, 20 V, 700 mA, 3-Pin TO-92, RoHS", Case/Package=TO-92-3, Manufacturer=Unisonic, Package Description="3-Pin Through Hole Device, Dia 4.58 mm, Pitch 1.27 mm", Datasheet URL=http://media.nkcelectronics.com/datasheet/s8550.pdf, Datasheet Version="Rev. E, 06/2014", Mounting Technology=TH, Package Reference=TO-92-3, RoHS Compliant=Unknown
R1 R8: library part CMP-009-00175-3, "Resistor 3.32k 0603", Case/Package=0603, Max Operating Temperature=155°C, Min Operating Temperature=-55°C, Pins=2
R2 R33 R35 R37 R39 R41 R42 R43 R44 R45 R46 R47 R48 R49 R50 R51 R52 R53 R54 R55 R56 R57 R58 R59 R60 R61 R62 R63 R64 R65 R66 R67 R68 R69 R70 R71 R72 R81 R83 R85 R87 R89 R90 R91 R92 R93 R94 R95 R96 R97 R98 R99 R100 R101 R102 R103 R104 R105 R106 R107 R108 R109 R110 R111 R112 R113 R114 R115 R116 R117 R118 R119 R120 R129 R131 R133 R135 R137 R138 R139 R140 R141 R142 R143 R144 R145 R146 R147 R148 R149 R150 R151 R152 R153 R154 R155 R156 R157 R158 R159 R160 R161 R162 R163 R164 R165 R166 R167 R168 R177 R179 R181 R183 R185 R186 R187 R188 R189 R190 R191 R192 R193 R194 R195 R196 R197 R198 R199 R200 R201 R202 R203 R204 R205 R206 R207 R208 R209 R210 R211 R212 R213 R214 R215 R216 R225 R227 R229 R231 R233 R234 R235 R236 R237 R238 R239 R240 R241 R242 R243 R244 R245 R246 R247 R248 R249 R250 R251 R252 R253 R254 R255 R256 R257 R258 R259 R260 R261 R262 R263 R264 R273 R275 R277 R279 R281 R282 R283 R284 R285 R286 R287 R288 R289 R290 R291 R292 R293 R294 R295 R296 R297 R298 R299 R300 R301 R302 R303 R304 R305 R306 R307 R308 R309 R310 R311 R312 R321 R323 R325 R327 R329 R330 R331 R332 R333 R334 R335 R336 R337 R338 R339 R340 R341 R342 R343 R344 R345 R346 R347 R348 R349 R350 R351 R352 R353 R354 R355 R356 R357 R358 R359 R360 R369 R371 R373 R375 R377 R378 R379 R380 R381 R382 R383 R384 R385 R386 R387 R388 R389 R390 R391 R392 R393 R394 R395 R396 R397 R398 R399 R400 R401 R402 R403 R404 R405 R406 R407 R408: library part CMP-009-00175-3, Case/Package=0603, Max Operating Temperature=155°C, Min Operating Temperature=-55°C, Pins=2
R3: library part CMP-009-00175-3, "0ohm 0603", Case/Package=0603, Max Operating Temperature=155°C, Min Operating Temperature=-55°C, Pins=2
R4 R6 R13: library part CMP-009-00175-3, "Resistor1k 0603", Case/Package=0603, Max Operating Temperature=155°C, Min Operating Temperature=-55°C, Pins=2
R5 R10 R15: library part CMP-009-00175-3, "20k 0603", Case/Package=0603, Max Operating Temperature=155°C, Min Operating Temperature=-55°C, Pins=2
R7 R11 R14: library part CMP-009-00175-3, "Resistor 1k 0603", Case/Package=0603, Max Operating Temperature=155°C, Min Operating Temperature=-55°C, Pins=2
R9 R12 R16: library part CMP-009-00175-3, "80k 0603", Case/Package=0603, Max Operating Temperature=155°C, Min Operating Temperature=-55°C, Pins=2
R17 R18: library part CMP-009-00175-3, "1k 0603", Case/Package=0603, Max Operating Temperature=155°C, Min Operating Temperature=-55°C, Pins=2
R19 R20: library part CMP-009-00175-3, "12k 0603", Case/Package=0603, Max Operating Temperature=155°C, Min Operating Temperature=-55°C, Pins=2
R21 R22 R23 R24: library part CMP-009-00175-3, "10k 0603", Case/Package=0603, Max Operating Temperature=155°C, Min Operating Temperature=-55°C, Pins=2
R25 R26 R27 R28 R29 R30 R31 R32 R73 R74 R75 R76 R77 R78 R79 R80 R121 R122 R123 R124 R125 R126 R127 R128 R169 R170 R171 R172 R173 R174 R175 R176 R217 R218 R219 R220 R221 R222 R223 R224 R265 R266 R267 R268 R269 R270 R271 R272 R313 R314 R315 R316 R317 R318 R319 R320 R361 R362 R363 R364 R365 R366 R367 R368: library part CMP-009-00175-3, "237 ohm 0603", Case/Package=0603, Max Operating Temperature=155°C, Min Operating Temperature=-55°C, Pins=2
R34 R36 R38 R40 R82 R84 R86 R88 R130 R132 R134 R136 R178 R180 R182 R184 R226 R228 R230 R232 R274 R276 R278 R280 R322 R324 R326 R328 R370 R372 R374 R376: library part CMP-009-00175-3, "1.5k 0603", Case/Package=0603, Max Operating Temperature=155°C, Min Operating Temperature=-55°C, Pins=2
U1 U4: library part CMP-0062-02467-3, "1A Low Dropout Regulator for 5V to 3.3V Conversion, 3-pin TO-220, Pb-Free", Manufacturer="Texas Instruments", PackageTopMarking="NSUZXYTTE#*LM3940IT*-3.3 P+", PowerWise=N, ComponentLink1Description="Datasheet URL", ComponentLink1URL=http://www.ti.com/general/docs/lit/getliterature.tsp?genericPartNumber=LM3940&fileType=pdf, CompType="LDO IC", PackageDescription="TO-220, Molded, 3 Lead, Straight", PackageReference=NDE0003A, PinCount=3, RoHS=Y
U2 U5: "No Description Available", Mfr_Name="Analog Devices Inc", Copyright="Copyright (C) 2024 Ultra Librarian. All rights reserved.", Manufacturer_Part_Number=ADAU1966AWBSTZ, RefDes=RefDes, Type=DEV
U3 U6: library part CMP-07130-000010-1, "IC SUPERVISOR 1 CHANNEL SOT143", Ambient Temperature Range High=+85°C, Ambient Temperature Range Low=-40°C, Manufacturer="ON Semiconductor", Max Power Dissipation=320mW, Max Supply Voltage=5.5V, Min Supply Voltage=1V, Nominal Supply Current=6-8uA, Output Current=20mA, Package=527AF-01, Temperature="-40°C to +85°C", Threshold Voltage=3.08V, Automotive=No, Category=IC, ComponentLink2Description=Datasheet, ComponentLink2URL=https://www.onsemi.com/pub/Collateral/CAT811-D.PDF, Device Class L1="Integrated Circuits (ICs)", Device Class L2="Power Management ICs", Device Class L3="Voltage Supervisors", Digikey Description="IC SUPERVISOR 1 CHANNEL SOT143", Footprint Url=https://www.onsemi.com/pub/Collateral/527AF.PDF, Height=1.22mm, Lead Free=Yes, Manufacturer Part Number=CAT811TTBI-GT3, Mouser Description="Supervisory Circuits Act. Lo w/PB 4-pin", Number Of Outputs=1, Number Of Rails Monitored=1, Octopart=https://octopart.com/cat811ttbi-gt3-on+semiconductor-13128977, Reset Timeout=240ms, Reset Type="Active Low", RoHS=TRUE, Standoff Height=0.05mm, Temperature Range High=+85°C, Temperature Range Low=-40°C
U7 U8 U9 U10 U11 U12 U13 U14 U15: library part CMP-0017-00003-2, "Quad Low-Noise JFET-Input General-Purpose Operational Amplifier, 7 to 36 V, 0 to 70 degC, 14-pin SOIC (D14), Green (RoHS & no Sb/Br)", Manufacturer="Texas Instruments", Rating=Military, Total Supply Voltage(Max)(+5V is 5, +/-5V is 10)=36, Total Supply Voltage(Min)(+5V is 5, +/-5V is 10)=7, CMRR(Min)(dB)=70, Code_JEDEC=MS-012, ComponentLink1Description="Manufacturer URL", ComponentLink1URL=http://www.ti.com/, ComponentLink2Description=Datasheet, ComponentLink2URL=http://www.ti.com/lit/ds/symlink/tl074.pdf, ComponentLink3Description="Package Specification", ComponentLink3URL=http://www.ti.com/lit/ml/mpds177g/mpds177g.pdf, DatasheetVersion=SLOS080J, Eco-Plan="Green (RoHS & no Sb/Br)", GBW(Typ)(MHz)=3, IIB(Max)(pA)=200, Iq per channel(Max)(mA)=2.5, Mounting Technology="Surface Mount", Number of Channels=4, Offset Drift(Typ)(uV/C)=18, PackageDescription="14-Pin Plastic Small Outline, Body 8.65 x 3.90 mm, Pitch 1.27 mm", PackageReference=D0014A, PackageVersion="4040047-5/M, 06/2011", PartNumber=TL074CDR, Slew Rate(Typ)(V/us)=13, Sub Family="General Purpose Amplifier, High Supply Voltage Amplifier (>=30V)", Vio (25C)(Max)(mV)=10, Vn at 1kHz(Typ)(nV/rtHz)=18

## Via types
v1: diameter 27, hole 15, L1 to L2, 375 vias
v2: diameter 70, hole 60, L1 to L2, 2 vias
v3: diameter 25, hole 15, L1 to L2, 1 vias